# Altium PCB V1_2.PcbDoc (part 2 of 3)
Units mm, origin at the board's own origin, x right, y up, seen from the top; angles counter-clockwise.
Board outline 100 x 60 mm, 4 copper layers (Component Side, GND Layer, Power Layer, Bottom Layer), stack 1.596 mm thick; 194 components, 123 nets, 871 pads, 789 vias.
Unrouted connection lines stored in the file: 3.
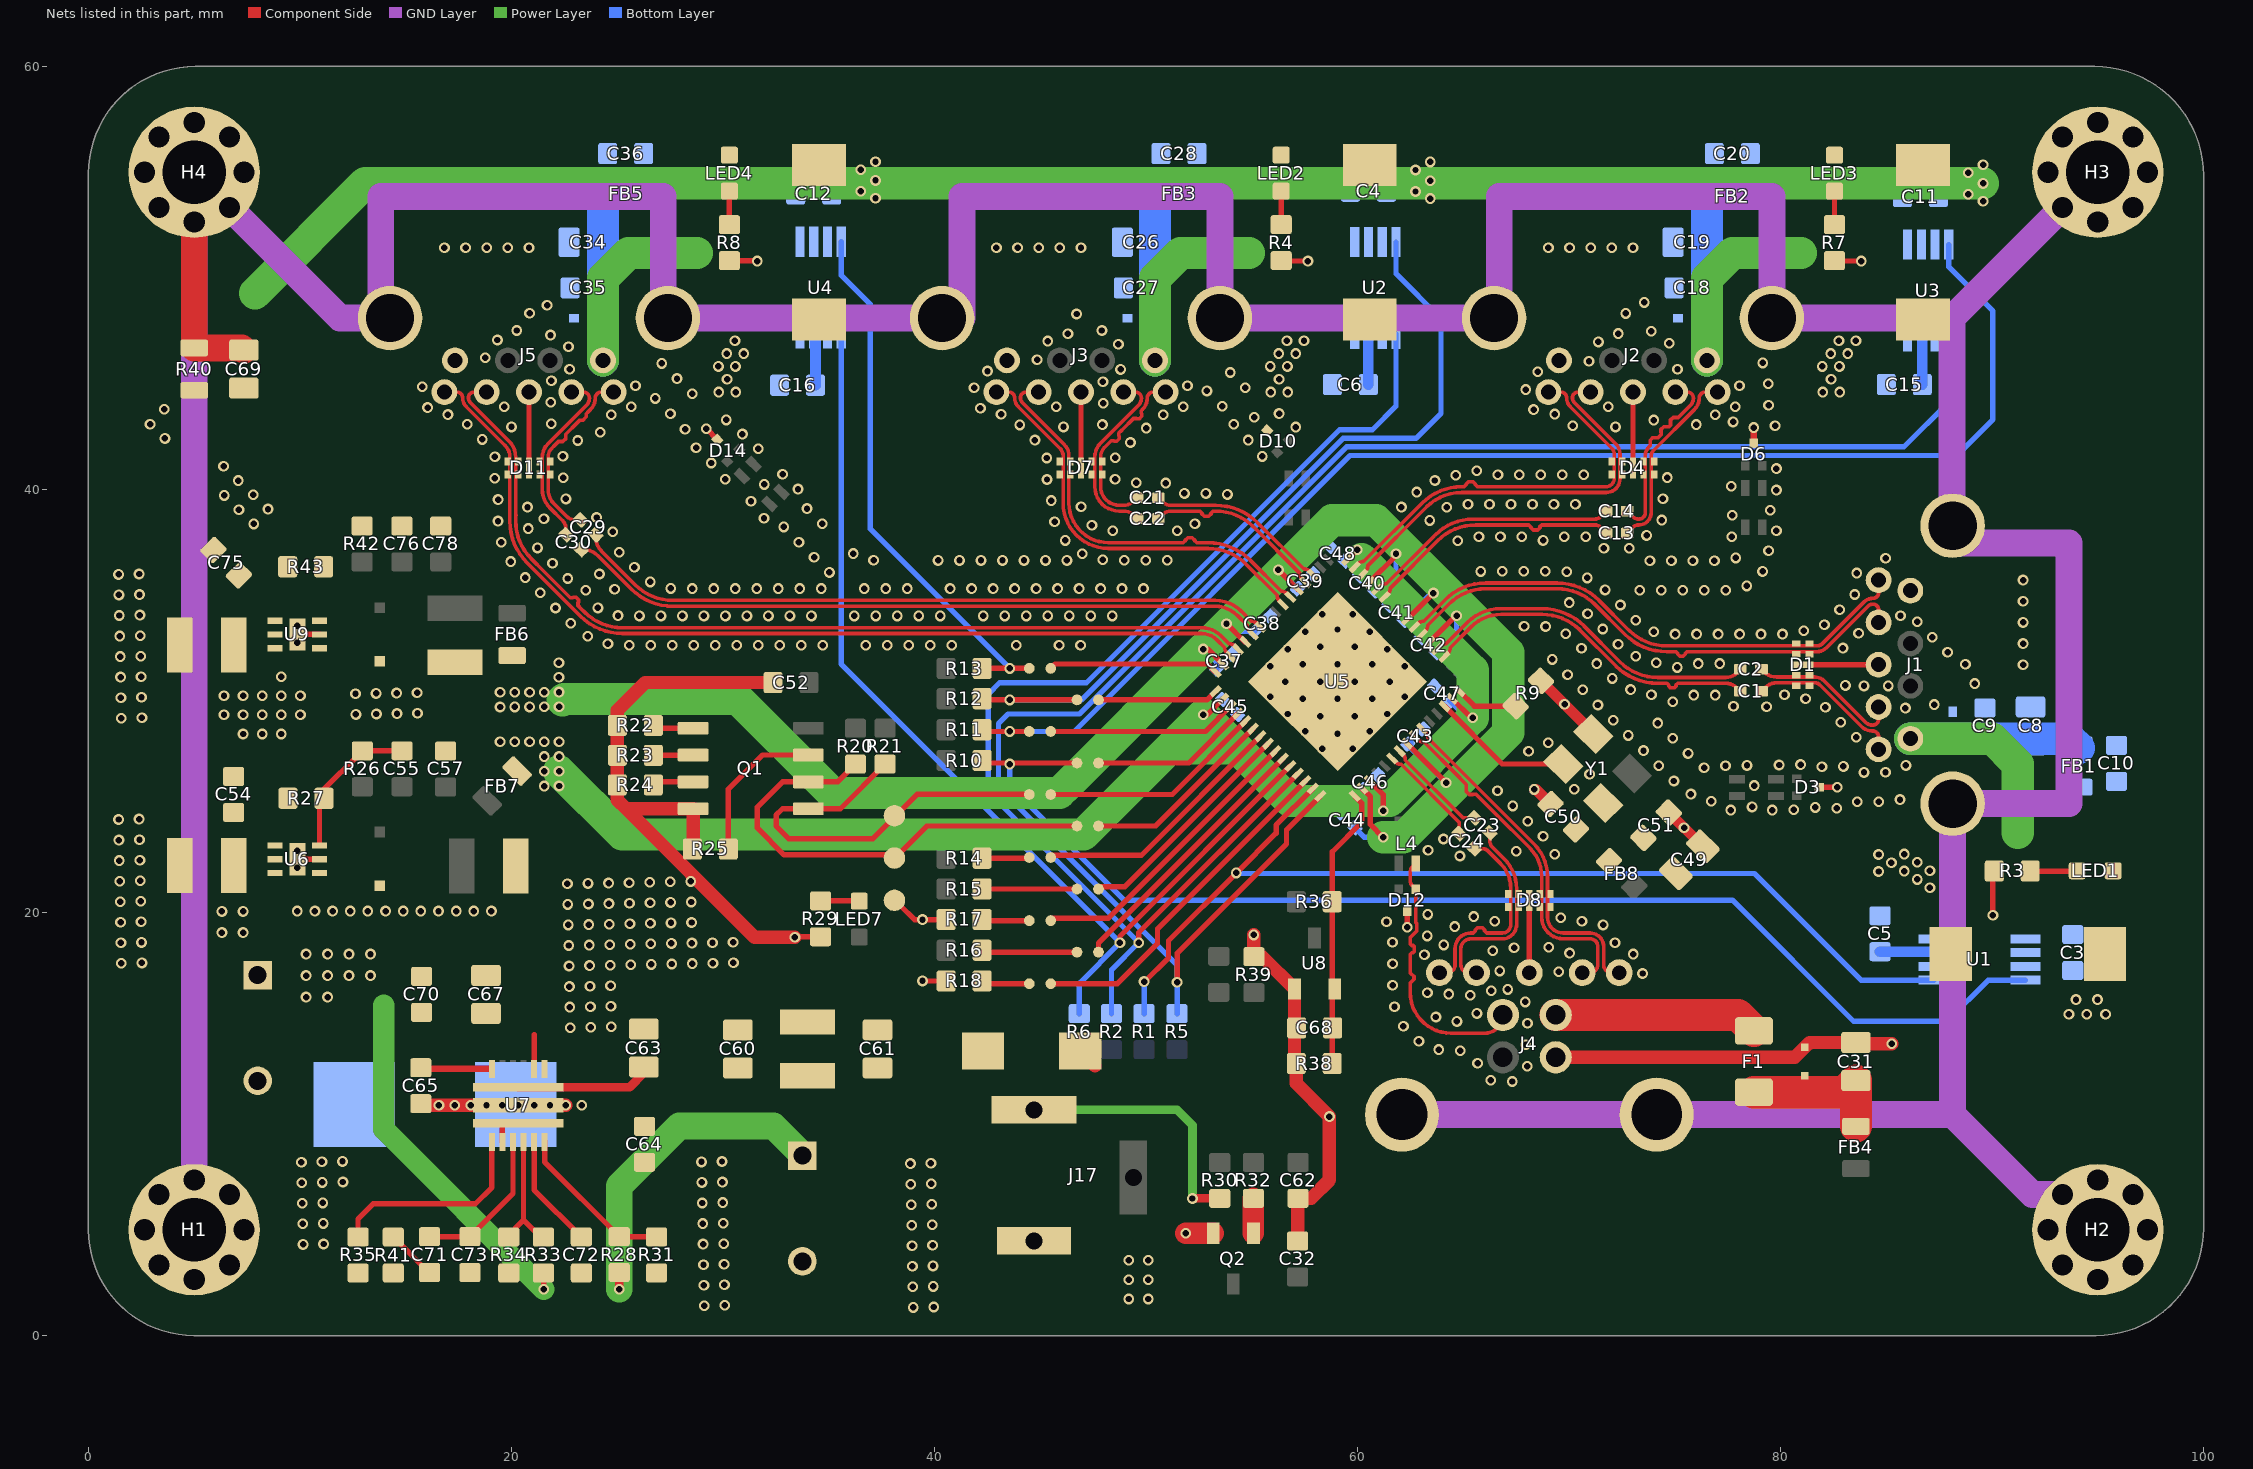
[diagram p4: the nets of this part, all layers, seen from the top]

## Via types
v1: diameter 0.508, hole 0.305, Component Side to Bottom Layer, tented both sides, 788 vias
v2: diameter 0.508, hole 0.305, Component Side to Bottom Layer, 1 vias

## Nets (pads, with @x,y where several pads share a name; then routed paths per layer and width w, separated by ;. In a path a pad name is that pad's centre, name@x,y a point inside that pad or via, vN(x,y) a via of type N, cw(c..) or ccw(c..) an arc to the next point about the centre after c; other vN are vias at no path point) (continued)
GND: C3.1 C4.1 C5.1 C6.1 C7.2 C8.1 C9.1 C10.1 C11.1 C12.1 C15.1 C16.1 C17.2 C18.1 C19.1 C20.1 C25.2 C26.1 C27.1 C28.1 C31.1 C32.1 C33.2 C34.1 C35.1 C36.1 C37.1 C38.1 C39.1 C40.1 C41.1 C42.1 C43.1 C44.1 C45.1 C46.1 C47.1 C48.1 C49.1 C50.1 C51.1 C52.1 C53.1 C54.1 C56.1 C57.1 C58.2 C59.1 C60.1 C61.1 C62.1 C63.1 C64.1 C66.2 C67.1 C68.1 C69.2 C70.1 C72.1 C73.1 C74.1 C75.1 C77.1 C78.1 D1.3 D2.2 D3.3 D4.3 D5.2 D6.3 D7.3 D8.3 D9.2 D10.3 D11.3 D12.3 D13.2 D14.3 ESD1.2 ESD2.2 J1.4 J1.7 J2.4 J2.7 J3.4 J3.7 J4.4 J4.7 J5.4 J5.7 J17.2 LED1.K LED2.K LED3.K LED4.K Q1.4 R9.2 R17.1 R18.1 R22.1 R23.1 R24.1 R25.1 R27.2 R29.1 R31.2 R34.2 R35.2 R38.2 R39.2 R40.1 R41.2 R43.2 TP3.1 U1.1 U2.1 U3.1 U4.1 U5.65 U6.2 U6.6 U6.7 U7.2 U7.9 U7.11 U8.1 U9.2 U9.6 U9.7 Y1.2 | length 100.6
  Component Side w0.254: U6.7@9.874,22.52 U6.2@10.924,22.52 ; U9.7@9.874,33.147 U9.2@10.924,33.147 ; U7.11@19.57,9.158 19.57,10.033 U7.9@20.32,10.033 ; D11.3@20.828,41.021 J5.7@20.828,44.605 ; U7.2@21.07,12.608 21.07,14.212 ; v1(29.21,42.873) D14.3@29.735,42.349 ; v1(33.401,18.835) 33.416,18.85 R29.1@34.614,18.85 ; TP3.1@38.397,20.32 39.053,19.665 v1(39.433,19.665) R17.1@40.552,19.665 ; v1(39.433,16.764) R18.1@40.552,16.764 ; D7.3@46.926,41.021 J3.7@46.926,44.605 ; v1(62.357,19.304) D12.3@62.357,20.049 ; J4.7@68.123,17.155 D8.3@68.123,20.574 ; D4.3@73.025,41.021 J2.7@73.025,44.605 ; D1.3@81.054,31.716 J1.7@84.638,31.716 ; D3.3@81.822,25.927 v1(82.677,25.927)
  Component Side w0.305: D6.3@78.74,42.181 v1(78.74,42.926)
  Component Side w0.508: v1(68.36,25.817) 68.439,25.817 C50.1@69.13,25.126 ; R9.2@68.678,30.955 v1(69.788,29.845) 71.149,28.484 Y1.2@71.149,28.44 ; C51.1@74.718,24.731 76.321,23.128 C49.1@76.328,23.128
  Component Side w0.635: R25.1@28.556,22.999 28.586,23.029 Q1.4@28.586,24.904 25.423,24.904 ; C52.1@32.366,30.873 26.328,30.873 25.008,29.552 R22.1@25.008,28.843 25.008,25.319 25.423,24.904 ; v1(33.401,18.835) 31.491,18.835 25.423,24.904 ; ESD2.2@46.891,13.459 ESD2.2@47.589,12.761 ; v1(55.1,18.94) R39.2@55.1,17.911 55.498,17.911 U8.1@57.02,16.389 57.02,12.944 R38.2@57.105,12.859 ; R38.2@57.007,12.761 R38.2@57.105,12.859 ; C32.1@57.169,4.469 57.169,6.464 C62.1@57.188,6.483 57.805,6.483 58.674,7.352 v1(58.674,10.351) 57.105,11.919 R38.2@57.105,12.859 ; J4.4@69.373,13.155 80.679,13.155 ESD1.2@81.153,13.629 81.378,13.854 C31.1@83.566,13.854 83.625,13.795 v1(85.256,13.795)
  other v1: 38.995,1.328 39.966,1.347 29.116,1.407 30.087,1.426 38.976,2.3 39.947,2.318 29.097,2.379 30.068,2.398 38.957,3.271 39.928,3.29 29.078,3.35 30.049,3.369 38.938,4.242 39.909,4.261 10.144,4.307 11.116,4.326 29.059,4.322 30.03,4.341 38.919,5.214 39.89,5.233 10.125,5.278 29.04,5.293 11.097,5.297 30.011,5.312 38.9,6.185 39.871,6.204 10.106,6.249 11.078,6.268 29.021,6.265 29.992,6.284 38.881,7.157 39.852,7.176 10.087,7.221 11.059,7.24 29.002,7.236 12.03,7.259 29.973,7.255 38.862,8.128 39.833,8.147 10.069,8.192 11.04,8.211 28.983,8.207 12.011,8.23 29.954,8.226 67.316,12.009 66.302,12.064 68.028,12.734 65.678,12.867 64.852,13.458 63.838,13.519 67.95,13.747 62.903,13.916 22.779,14.555 23.751,14.574 24.722,14.593 62.171,14.621 68.038,14.759 64.701,14.852 63.706,15.058 65.644,15.229 22.761,15.526 23.732,15.545 61.749,15.545 24.703,15.564 67.935,15.77 65.334,16.09 64.32,16.144 63.306,16.209 66.328,16.302 67.109,16.362 22.742,16.498 23.713,16.517 24.684,16.536 61.66,16.557 73.478,17.116 69.518,17.2 66.728,17.236 22.723,17.469 23.694,17.488 24.665,17.507 25.637,17.526 26.608,17.545 27.58,17.564 28.551,17.583 61.66,17.573 1.555,17.596 29.522,17.602 2.527,17.615 30.494,17.621 63.166,18.007 73.04,18.033 70.026,18.08 66.394,18.195 67.401,18.331 69.048,18.355 22.704,18.441 23.675,18.46 64.072,18.466 24.646,18.479 25.618,18.498 26.589,18.516 27.561,18.535 28.532,18.554 1.536,18.568 29.504,18.573 72.175,18.567 2.508,18.587 30.475,18.592 61.655,18.589 63.302,18.892 64.598,19.335 22.685,19.412 71.612,19.412 23.656,19.431 24.627,19.45 25.599,19.469 26.57,19.488 27.542,19.507 1.517,19.539 28.513,19.526 2.489,19.558 61.371,19.564 66.49,19.589 70.611,19.589 69.609,19.754 65.498,19.807 63.317,19.908 9.872,20.066 10.707,20.066 11.541,20.066 12.376,20.066 13.21,20.066 14.045,20.066 14.88,20.066 15.714,20.066 16.549,20.066 17.383,20.066 18.218,20.066 19.053,20.066 22.666,20.383 23.637,20.402 24.609,20.421 25.58,20.44 26.551,20.459 27.523,20.478 28.494,20.497 1.498,20.511 2.47,20.53 22.647,21.355 23.618,21.374 24.59,21.393 25.561,21.412 26.532,21.431 27.504,21.45 28.475,21.469 1.479,21.482 2.451,21.501 9.874,22.12 1.46,22.453 2.432,22.472 64.842,22.671 69.331,22.752 67.511,22.893 9.874,22.92 63.336,22.946 1.441,23.425 2.413,23.444 64.065,23.475 68.773,23.601 75.438,24.003 68.055,24.319 1.423,24.396 2.394,24.415 77.649,24.842 79.612,24.842 80.628,24.861 82.654,24.925 81.639,24.967 78.654,24.989 67.337,25.038 83.623,25.23 84.639,25.23 76.722,25.259 85.649,25.339 75.764,25.597 66.618,25.756 70.252,25.823 78.762,26 74.96,26.217 70.971,26.542 83.948,26.624 84.964,26.633 76.388,26.846 81.957,26.887 82.972,26.906 74.241,26.936 77.399,26.941 78.415,26.955 85.929,26.953 79.93,26.974 80.946,26.993 75.627,27.52 68.088,27.625 73.523,27.654 69.02,28.031 74.909,28.239 83.575,28.287 72.804,28.372 74.19,28.957 82.842,28.99 72.086,29.091 1.555,29.186 2.527,29.205 12.643,29.365 13.615,29.384 14.586,29.403 15.558,29.422 85.905,29.665 82.123,29.708 77.777,29.748 79.339,29.733 71.367,29.809 87.273,29.83 74.901,29.96 81.186,30.1 1.536,30.157 2.508,30.176 75.894,30.278 76.91,30.278 73.897,30.298 80.188,30.291 12.624,30.336 13.596,30.355 14.567,30.374 15.539,30.393 70.649,30.528 72.911,30.54 83.948,30.712 85.098,30.712 83.067,30.735 89.186,30.825 72.041,31.066 1.517,31.128 2.489,31.147 69.931,31.246 75.115,31.585 91.468,31.716 88.741,31.738 71.308,31.769 76.114,31.771 77.13,31.771 74.124,31.809 69.212,31.965 1.498,32.1 73.154,32.111 2.47,32.119 87.897,32.304 70.59,32.488 82.95,32.503 25.572,32.629 26.588,32.629 27.604,32.629 28.62,32.629 29.636,32.629 30.652,32.629 31.668,32.629 32.684,32.629 33.7,32.629 34.716,32.629 36.748,32.629 37.764,32.629 38.78,32.629 39.796,32.629 40.812,32.629 43.86,32.629 45.892,32.629 46.908,32.629 72.318,32.689 24.559,32.706 91.468,32.716 9.874,32.747 87.175,33.019 1.479,33.071 23.607,33.06 2.451,33.09 69.85,33.184 75.014,33.165 76.03,33.165 77.046,33.165 78.062,33.165 79.078,33.165 80.094,33.165 83.69,33.199 74.004,33.27 81.099,33.317 71.596,33.404 67.876,33.535 68.891,33.522 9.874,33.547 82.075,33.599 22.801,33.678 91.468,33.716 86.467,33.747 73.15,33.821 26.051,34.023 27.067,34.023 28.083,34.023 29.099,34.023 30.115,34.023 31.131,34.023 32.147,34.023 33.163,34.023 34.179,34.023 36.211,34.023 37.227,34.023 38.243,34.023 39.259,34.023 40.275,34.023 42.307,34.023 43.323,34.023 44.339,34.023 45.355,34.023 46.371,34.023 47.387,34.023 48.403,34.023 1.46,34.043 25.035,34.04 85.673,34.028 2.432,34.062 70.878,34.122 82.793,34.317 22.082,34.396 24.086,34.401 72.431,34.539 70.012,34.654 91.468,34.716 1.441,35.014 2.413,35.033 83.512,35.035 21.364,35.115 23.509,35.238 73.342,35.234 74.358,35.234 75.374,35.234 76.39,35.234 77.406,35.234 71.707,35.252 24.876,35.286 28.546,35.314 29.562,35.314 30.578,35.314 31.594,35.314 32.61,35.314 33.626,35.314 34.642,35.314 36.674,35.314 37.69,35.314 38.706,35.314 40.738,35.314 41.754,35.314 42.77,35.314 43.786,35.314 44.802,35.314 45.818,35.314 46.834,35.314 47.85,35.314 48.866,35.314 49.882,35.314 27.53,35.321 78.401,35.441 26.562,35.631 91.468,35.716 22.657,35.792 70.863,35.818 20.645,35.833 1.423,35.985 2.394,36.004 24.157,36.004 83.607,36.047 35.03,36.078 65.826,36.125 69.889,36.107 79.152,36.125 66.842,36.14 67.858,36.14 68.874,36.14 25.814,36.318 21.939,36.51 19.967,36.59 73.827,36.628 74.843,36.628 75.859,36.628 76.875,36.628 37.119,36.655 40.167,36.648 41.183,36.648 42.199,36.648 43.215,36.648 44.231,36.648 45.247,36.648 46.263,36.648 48.971,36.651 49.987,36.651 51.003,36.651 47.955,36.672 77.882,36.764 84.967,36.747 34.307,36.791 36.153,36.968 46.982,36.963 25.096,37.037 79.437,37.101 71.649,37.222 72.853,37.222 21.229,37.237 19.519,37.501 33.588,37.51 64.742,37.571 46.184,37.592 68.772,37.59 65.739,37.763 66.755,37.763 67.771,37.763 69.773,37.763 70.789,37.763 77.689,37.762 73.668,37.829 24.783,38.003 48.424,38.045 51.472,38.045 79.806,38.047 20.789,38.153 32.87,38.228 47.443,38.31 7.815,38.373 34.691,38.378 52.315,38.383 45.675,38.472 19.363,38.506 63.414,38.536 74.381,38.553 21.534,38.62 31.939,38.636 24.022,38.676 77.715,38.778 79.518,39.021 7.114,39.046 8.488,39.073 33.972,39.097 20.758,39.169 62.077,39.17 64.219,39.156 46.931,39.187 65.225,39.298 66.241,39.298 67.257,39.298 68.273,39.298 69.289,39.298 70.305,39.298 31.323,39.444 45.521,39.476 19.364,39.522 22.572,39.553 74.441,39.567 6.414,39.72 7.788,39.747 53.849,39.765 51.818,39.812 52.834,39.812 62.804,39.879 79.806,39.974 33.547,40.02 77.674,40.152 31.957,40.239 49.539,40.322 50.928,40.303 7.088,40.42 63.662,40.424 45.32,40.472 30.112,40.484 48.536,40.49 19.212,40.526 22.444,40.561 74.641,40.563 64.647,40.672 66.637,40.692 67.653,40.692 68.669,40.692 69.685,40.692 70.701,40.692 32.816,40.725 65.64,40.888 79.806,40.99 6.387,41.094 29.446,41.251 45.31,41.488 48.543,41.506 19.216,41.542 55.492,41.562 22.433,41.577 31.663,41.928 28.729,41.971 49.263,42.222 23.13,42.316 44.75,42.335 54.833,42.335 18.621,42.366 3.613,42.414 30.92,42.62 24.194,42.712 28.208,42.843 50.016,42.905 20.002,42.956 46.1,42.956 57.082,42.951 72.199,42.956 70.172,43.012 79.742,43.015 44.032,43.054 2.913,43.087 17.903,43.084 47.94,43.067 54.146,43.084 76.01,43.068 21.881,43.107 77.755,43.194 30.154,43.288 74.001,43.281 55.118,43.414 16.996,43.541 24.718,43.53 50.816,43.53 76.915,43.53 43.146,43.552 69.32,43.567 27.513,43.585 56.292,43.59 3.586,43.788 68.327,43.778 42.171,43.835 16.035,43.872 19.659,43.913 25.659,43.913 45.758,43.913 51.758,43.913 71.856,43.913 77.856,43.913 53.599,43.94 79.437,43.985 47.982,44.082 21.86,44.123 26.795,44.303 28.544,44.525 52.881,44.659 67.951,44.722 41.87,44.806 54.698,44.812 15.781,44.856 25.865,44.908 51.963,44.908 78.062,44.908 79.415,45 47.963,45.098 21.891,45.138 27.825,45.244 53.98,45.531 68.522,45.563 42.505,45.598 48.799,45.676 75.13,45.681 22.748,45.684 27.107,45.962 79.166,45.985 70.946,46.063 44.848,46.135 18.757,46.233 22.695,46.743 48.695,46.862 74.739,46.917 71.393,46.976 45.354,47.016 19.335,47.068 21.845,47.299 46.307,47.367 72.328,47.373 73.893,47.479 20.247,47.516 47.918,47.516 46.716,48.297 20.855,48.33 72.681,48.326 21.684,48.706 73.556,48.842 16.828,51.435 17.828,51.435 18.828,51.435 19.828,51.435 20.828,51.435 42.926,51.435 43.926,51.435 44.926,51.435 45.926,51.435 46.927,51.435 69.025,51.435 70.025,51.435 71.025,51.435 72.025,51.435 73.025,51.435
NetC7_1: C7.1 C8.2 C9.2 D2.1 FB1.1 J1.1 | length 17
  Power Layer w1.524: J1.1@86.138,28.216 90.015,28.216 91.214,27.017 91.214,23.767
  Bottom Layer w1.524: J1.1@86.138,28.216 93.665,28.216 FB1.1@94.107,27.774
  other v1: 87.066,21.173 86.459,21.565 84.638,21.937 85.852,21.957 87.066,21.978 85.245,22.349 86.459,22.37 84.638,22.741 85.852,22.762
NetC17_1: C17.1 C18.2 C19.2 D5.1 FB2.1 J2.1 | length 16.7
  Power Layer w1.524: J2.1@76.525,46.105 76.525,49.982 77.724,51.181 80.974,51.181
  Bottom Layer w1.524: J2.1@76.525,46.105 76.525,53.514 FB2.1@76.874,53.863
  other v1: 82,44.605 82.804,44.605 82.392,45.212 81.979,45.819 82.784,45.819 82.371,46.426 83.176,46.426 82.763,47.033 83.568,47.033
NetC25_1: C25.1 C26.2 C27.2 D9.1 FB3.1 J3.1 | length 16.8
  Power Layer w1.524: J3.1@50.427,46.105 50.427,49.982 51.626,51.181 54.876,51.181
  Bottom Layer w1.524: J3.1@50.427,46.105 50.427,53.677 FB3.1@50.727,53.978
  other v1: 55.901,44.605 56.706,44.605 56.293,45.212 55.881,45.819 56.685,45.819 56.273,46.426 57.077,46.426 56.665,47.033 57.469,47.033
NetC31_2: C31.2 ESD1.1 F1.1 FB4.1 | length 7.2
  Component Side w1.524: F1.1@78.74,11.504 83.016,11.504 C31.2@83.566,12.054 FB4.1@83.566,9.89
NetC33_1: C33.1 C34.2 C35.2 D13.1 FB5.1 J5.1 | length 16.8
  Power Layer w1.524: J5.1@24.328,46.105 24.328,49.982 25.527,51.181 28.777,51.181
  Bottom Layer w1.524: J5.1@24.328,46.105 24.328,53.753 FB5.1@24.565,53.99
  other v1: 29.803,44.605 30.607,44.605 30.195,45.212 29.782,45.819 30.587,45.819 30.174,46.426 30.979,46.426 30.566,47.033
NetC37_2: C37.2 C38.2 C39.2 C40.2 C41.2 C42.2 C43.2 C44.2 FB6.1 U5.5 U5.8 U5.13 U5.21 U5.28 U5.31 U5.51 U5.57 | length 95
  Component Side w0.254: v1(52.705,32.454) 52.923,32.454 U5.31@53.645,31.732 ; v1(53.806,33.655) 54.668,32.793 U5.28@54.706,32.793 ; v1(56.261,36.195) 57.181,35.275 U5.21@57.181,35.268 ; U5.51@60.221,25.863 60.604,25.48 60.604,24.162 v1(61.212,23.554) ; U5.13@60.575,35.622 61.82,36.866 v1(61.82,36.957) ; U5.57@62.343,27.985 v1(64.188,26.14) ; U5.8@62.343,33.854 v1(63.59,35.101) ; U5.5@63.404,32.793 64.647,34.036 v1(64.686,34.036)
  Power Layer w1.524: 22.415,30.035 22.479,30.099 30.716,30.099 35.161,25.654 45.905,25.654 ; 46.1,25.848 v1(52.705,32.454) 58.796,38.544 60.877,38.544 67.126,32.296 67.126,28.516 62.164,23.554 v1(61.212,23.554)
  Bottom Layer w0.254: v1(52.705,32.454) 53.347,31.812 C37.2@53.347,31.523 ; v1(53.806,33.655) 54.16,33.301 C38.2@55.133,33.301 ; v1(56.261,36.195) 56.285,36.195 C39.2@57.167,35.313 ; C44.2@59.875,24.003 60.325,23.554 v1(61.212,23.554) ; C40.2@60.806,35.206 61.82,36.221 v1(61.82,36.957) v1@61.904,36.957 ; C41.2@62.203,33.809 63.494,35.101 v1(63.59,35.101) ; C43.2@62.511,28.094 62.511,27.786 64.157,26.14 v1(64.188,26.14) ; C42.2@63.727,32.285 64.686,33.245 v1(64.686,34.036)
  other v1: 19.463,29.716 20.159,29.718 20.855,29.72 21.552,29.722 22.248,29.724 19.461,30.412 20.157,30.414 20.853,30.416 21.55,30.418 22.246,30.42 22.244,31.117 22.242,31.813
NetC45_2: C45.2 C46.2 C47.2 C48.2 FB7.1 U5.16 U5.34 U5.52 U5.63 | length 72.6
  Component Side w0.254: v1(52.705,29.345) 52.884,29.345 U5.34@53.646,30.106 ; U5.16@59.515,36.682 59.521,36.682 v1(59.994,37.155) ; U5.52@60.575,26.217 61.214,25.577 v1(61.214,24.813) ; U5.63@64.465,30.107 65.362,29.21 v1(65.449,29.21)
  Power Layer w1.524: v1(22.248,26.676) 25.239,23.685 47.046,23.685 51.11,27.749 ; v1(52.705,29.345) 51.11,27.749 ; v1@52.73,29.345 54.326,27.749 ; 60.193,36.708 65.449,31.452 v1(65.449,29.21) 61.512,25.273 56.802,25.273 54.326,27.749 ; 51.11,27.749 54.326,27.749
  Bottom Layer w0.254: v1(52.705,29.345) 52.84,29.345 C45.2@53.594,30.099 ; C48.2@59.536,36.676 60.015,37.155 v1(59.994,37.155) ; C46.2@60.24,25.808 60.24,25.788 v1(61.214,24.813) ; C47.2@64.362,29.999 65.151,29.21 v1(65.449,29.21)
  other v1: 21.552,25.978 22.248,25.98 21.552,26.674 21.552,27.371 22.248,27.373 19.463,28.067 20.159,28.067 20.855,28.067 21.552,28.067 22.248,28.069
NetC49_2: C49.2 C50.2 C51.2 FB8.1 Y1.4
NetC55_1: C55.1 R26.2 R27.1 U6.3 | length 7.2
  Component Side w0.254: U6.3@10.922,23.17 10.922,25.2 10.922,25.618 R26.2@12.948,27.645 C55.1@14.823,27.645
NetC65_1: C65.1 L7.1 U7.8 | length 6.8
  Component Side w0.635: C65.1@15.748,10.883 v1(18.07,10.883) v1(18.82,10.883) v1(19.57,10.883) v1(20.32,10.883) v1(21.07,10.883) v1(21.82,10.883) v1(22.57,10.883)
  other v1: 16.57,10.883 17.32,10.883 23.32,10.883
NetC65_2: C65.2 U7.6 | length 3.4
  Component Side w0.305: C65.2@15.714,12.661 15.767,12.608 U7.6@19.07,12.608
NetC71_1: C71.1 R41.1 | length 2.4
  Component Side w0.254: R41.1@14.412,4.653 16.089,2.975 C71.1@16.129,2.975
NetC71_2: C71.2 C73.2 U7.12 | length 7.5
  Component Side w0.254: C71.2@16.129,4.675 C73.2@18.264,4.675 ; C73.2@18.034,4.675 20.07,6.711 U7.12@20.07,9.158
NetC72_2: C72.2 U7.14 | length 5.4
  Component Side w0.254: U7.14@21.07,9.158 21.07,6.888 C72.2@23.302,4.656
NetC76_1: C76.1 R42.2 R43.1 U9.3
NetF1_2: F1.2 J4.1 | length 9.7
  Component Side w1.524: J4.1@69.373,15.155 77.989,15.155 F1.2@78.74,14.404
NetJ6_1: J6.1 R14.1 | length 2.2
  Component Side w0.254: R14.1@42.252,22.565 44.448,22.565 J6.1@44.481,22.599
NetJ6_2: J6.2 U5.39 | length 12.3
  Component Side w0.254: J6.2@45.497,22.599 45.599,22.7 49.775,22.7 U5.39@55.413,28.338
NetJ7_2: J7.2 U5.36 | length 7.6
  Component Side w0.254: J7.2@47.752,27.07 52.024,27.07 U5.36@54.353,29.399
NetJ8_1: J8.1 U5.40 | length 10.9
  Component Side w0.254: J8.1@47.752,21.108 47.854,21.21 48.992,21.21 U5.40@55.767,27.985
NetJ8_2: J8.2 R15.1 | length 4.5
  Component Side w0.254: R15.1@42.252,21.115 42.259,21.108 J8.2@46.736,21.108
NetJ9_2: J9.2 U5.35 | length 9
  Component Side w0.254: J9.2@45.497,28.56 52.807,28.56 U5.35@53.999,29.753
NetJ10_1: J10.1 U5.41 | length 13.9
  Component Side w0.254: J10.1@45.497,19.618 45.599,19.719 48.209,19.719 U5.41@56.121,27.631
NetJ10_2: J10.2 R17.2 | length 2.2
  Component Side w0.254: R17.2@42.252,19.665 42.299,19.618 J10.2@44.481,19.618
NetJ11_1: J11.1 U5.42 | length 12.8
  Component Side w0.254: J11.1@47.752,18.127 47.752,18.556 U5.42@56.474,27.278
NetJ11_2: J11.2 R16.1 | length 4.5
  Component Side w0.254: R16.1@42.252,18.214 42.339,18.127 J11.2@46.736,18.127
NetJ12_1: J12.1 U5.45 | length 16.4
  Component Side w0.254: J12.1@45.497,16.637 48.652,16.637 50.546,18.531 50.546,19.228 U5.45@57.535,26.217
NetJ12_2: J12.2 R18.2 | length 2.3
  Component Side w0.254: R18.2@42.252,16.764 42.379,16.637 J12.2@44.481,16.637
NetJ13_2: J13.2 U5.33 | length 5.7
  Component Side w0.254: J13.2@47.752,30.051 52.883,30.051 U5.33@53.292,30.46
NetJ14_2: J14.2 U5.32 | length 8
  Component Side w0.254: J14.2@45.497,31.541 45.706,31.75 52.92,31.75 U5.32@53.291,31.378
NetJ15_1: J15.1 Q1.6 R20.1 TP1.1 | length 22.7
  Component Side w0.254: R20.1@36.264,27.014 35.424,26.174 Q1.6@34.036,26.174 32.816,26.174 31.623,24.981 31.623,23.996 32.893,22.726 38.277,22.726 39.64,24.089 J15.1@46.736,24.089
NetJ16_1: J16.1 Q1.5 R21.1 TP2.1 | length 19.9
  Component Side w0.254: R21.1@37.748,27.103 R21.1@37.661,27.017 35.548,24.904 Q1.5@34.036,24.904 32.816,24.904 32.512,24.6 32.512,24.089 33.106,23.495 37.084,23.495 39.172,25.583 44.478,25.583 J16.1@44.481,25.579
NetL6_1: L6.1 U6.1
NetL8_1: L8.1 U9.1
NetLED1_A: LED1.A R3.2 | length 2.2
  Component Side w0.254: R3.2@91.805,21.956 94.012,21.956 LED1.A@94.027,21.971
NetLED2_A: LED2.A R4.2 | length 1.6
  Component Side w0.254: R4.2@56.392,52.52 LED2.A@56.392,54.107
NetLED3_A: LED3.A R7.2 | length 1.6
  Component Side w0.254: R7.2@82.55,52.52 LED3.A@82.55,54.107
NetLED4_A: LED4.A R8.2 | length 1.6
  Component Side w0.254: R8.2@30.303,52.52 LED4.A@30.303,54.107
NetLED7_K: LED7.K R29.2 | length 1.8
  Component Side w0.254: R29.2@34.614,20.55 36.426,20.55 LED7.K@36.441,20.535
NetQ1_1: Q1.1 R22.2 | length 1.9
  Component Side w0.254: R22.2@26.708,28.843 26.837,28.714 Q1.1@28.586,28.714
NetQ1_2: Q1.2 R23.2 | length 1.9
  Component Side w0.254: R23.2@26.708,27.431 28.573,27.431 Q1.2@28.586,27.444
NetQ1_3: Q1.3 R24.2 | length 1.9
  Component Side w0.254: R24.2@26.708,26.034 26.848,26.174 Q1.3@28.586,26.174
NetQ1_7: Q1.7 R25.2 | length 7.3
  Component Side w0.254: R25.2@30.256,22.999 30.256,25.83 31.87,27.444 Q1.7@34.036,27.444
NetQ2_1: Q2.1 R32.1 | length 1.6
  Component Side w1.016: R32.1@55.078,6.483 55.08,6.482 Q2.1@55.08,4.835
NetR9_1: R9.1 U5.64 | length 3
  Component Side w0.254: U5.64@64.819,30.46 65.526,29.753 R9.1@67.476,29.753
NetR28_2: R28.2 R31.1 U7.15 | length 7.7
  Component Side w0.254: U7.15@21.57,9.158 21.57,8.2 R28.2@25.095,4.675 26.842,4.675 R31.1@26.858,4.66
NetR33_2: R33.2 R34.1 U7.13 | length 6.3
  Component Side w0.254: R34.1@19.685,4.572 20.57,5.457 ; 20.57,5.395 20.57,5.457 ; U7.13@20.57,9.158 20.57,5.457 ; R33.2@21.508,4.656 21.371,4.656 20.57,5.457
NetR35_1: R35.1 U7.10 | length 9.9
  Component Side w0.254: R35.1@12.745,4.656 12.745,5.506 13.462,6.223 18.288,6.223 19.07,7.005 U7.10@19.07,9.158
OVCUR1: R1.2 U1.5 U5.46 | length 49
  Component Side w0.254: v1(49.911,16.734) 49.94,16.734 51.063,17.857 51.063,18.663 v1(54.27,21.87) 56.155,23.755 56.155,24.13 U5.46@57.888,25.863
  Bottom Layer w0.254: R1.2@49.911,15.216 v1(49.911,16.734) ; v1@54.27,21.844 78.772,21.844 83.811,16.805 U1.5@87.24,16.805
OVCUR2: R5.2 U3.5 U5.47 | length 83.2
  Component Side w0.254: v1(51.469,16.699) 51.469,18.068 56.642,23.241 56.642,23.91 U5.47@58.242,25.51
  Bottom Layer w0.254: R5.2@51.469,15.216 v1(51.469,16.699) 51.469,17.514 49.878,19.105 49.856,19.105 43.028,25.933 43.028,28.931 43.482,29.385 46.859,29.385 59.485,42.012 85.827,42.012 87.957,44.142 U3.5@87.957,47.231
OVCUR3: R2.2 U2.5 U5.44 | length 58
  Component Side w0.254: v1(49.657,18.572) 49.657,19.046 U5.44@57.181,26.571
  Bottom Layer w0.254: R2.2@48.372,15.216 48.372,17.287 v1(49.657,18.572) 42.545,25.684 42.545,30.332 43.074,30.861 47.185,30.861 59.149,42.824 60.702,42.824 61.82,43.942 U2.5@61.82,47.358
OVCUR4: R6.2 U4.5 U5.43 | length 50.1
  Component Side w0.254: v1(48.768,18.572) 48.768,18.876 56.816,26.924 U5.43@56.828,26.924
  Bottom Layer w0.254: U4.5@35.59,47.371 35.59,31.75 v1(48.768,18.572) 46.848,16.652 R6.2@46.848,15.216
P5V: C3.2 C4.2 C11.2 C12.2 C53.2 C54.2 C66.1 C67.2 C70.2 C74.2 C75.2 L7.2 Q2.2 R33.1 U1.2 U1.3 U2.2 U2.3 U3.2 U3.3 U4.2 U4.3 U6.4 U6.5 U9.4 U9.5 | length 102.5
  Component Side w0.254: R33.1@21.508,2.956 21.526,2.937 v1(21.526,2.19)
  Component Side w1.016: v1(51.88,4.835) Q2.2@53.18,4.835
  Power Layer w1.016: 13.97,15.621 13.97,9.747 v1(21.526,2.19)
  Power Layer w1.524: 7.874,49.276 13.081,54.483 89.565,54.483 v1(89.578,54.47)
  other v1: 49.186,1.726 50.102,1.726 49.186,2.641 50.102,2.641 49.186,3.556 50.102,3.556 93.636,15.184 94.479,15.184 95.368,15.184 93.971,15.882 94.987,15.883 10.287,16.002 11.303,16.002 10.287,17.018 11.303,17.018 12.319,17.018 13.335,17.018 10.287,18.034 11.303,18.034 12.319,18.034 13.335,18.034 6.311,19.05 7.31,19.05 6.311,20.049 7.31,20.049 7.31,28.44 8.213,28.44 9.116,28.44 6.407,29.343 7.31,29.343 8.213,29.343 9.116,29.343 10.019,29.343 6.407,30.246 7.31,30.246 8.213,30.246 9.116,30.246 10.019,30.246 9.116,31.149 89.578,53.627 63.441,53.754 37.211,53.767 88.879,53.962 36.512,54.102 62.742,54.089 37.211,54.61 63.441,54.597 88.879,54.978 36.512,55.118 62.742,55.105 89.578,55.359 63.441,55.486 37.211,55.499
P5V_DP1: C5.2 C10.2 FB1.2 R3.1 U1.6 U1.7 U1.8 | length 4.7
  Component Side w0.254: v1(90.043,19.864) 90.043,21.893 R3.1@90.105,21.956
  Bottom Layer w0.508: C5.2@84.709,18.144 87.201,18.144 U1.7@87.24,18.105
P5V_DP2: C15.2 C20.2 FB2.2 R7.1 U3.6 U3.7 U3.8 | length 3.7
  Component Side w0.254: R7.1@82.55,50.82 82.697,50.673 82.824,50.8 v1(83.82,50.8)
  Bottom Layer w0.508: U3.7@86.657,47.231 86.702,47.186 C15.2@86.702,44.958
P5V_DP3: C6.2 C28.2 FB3.2 R4.1 U2.6 U2.7 U2.8 | length 3.4
  Component Side w0.254: R4.1@56.392,50.82 56.412,50.8 v1(57.658,50.8)
  Bottom Layer w0.508: C6.2@60.513,44.958 U2.7@60.513,47.062
P5V_DP4: C16.2 C36.2 FB5.2 R8.1 U4.6 U4.7 U4.8 | length 3.8
  Component Side w0.254: R8.1@30.303,50.82 31.603,50.82 v1(31.623,50.8)
  Bottom Layer w0.508: U4.7@34.29,47.371 34.378,47.283 C16.2@34.378,44.93
P12V: C58.1 C59.2 C60.2 C61.2 C63.2 C64.2 ESD2.1 J17.1 R28.1 R30.1 U7.1 U7.7 | length 34.9
  Component Side w0.406: U7.7@20.32,11.733 25.587,11.733 C63.2@26.289,12.435 ; v1(25.095,2.186) R28.1@25.095,2.975 ; v1(52.197,6.477) 52.203,6.483 R30.1@53.486,6.483
  Power Layer w0.406: J17.1@44.703,10.669 51.464,10.669 52.197,9.937 v1(52.197,6.477)
  Power Layer w1.27: v1(25.095,2.186) 25.095,7.067 27.934,9.906 32.386,9.906 33.754,8.538 C58.1@33.754,8.533
PWREN1: J7.1 R10.1 U1.4 | length 59
  Component Side w0.254: R10.1@42.252,27.19 42.372,27.07 J7.1@46.736,27.07
  Bottom Layer w0.254: v1(43.561,27.017) 43.561,25.975 48.95,20.586 77.729,20.586 83.456,14.859 87.884,14.859 89.83,16.805 U1.4@91.584,16.805
PWREN2: J9.1 R11.1 U3.4 | length 64
  Component Side w0.254: R11.1@42.252,28.641 42.332,28.56 v1(43.561,28.56) J9.1@44.481,28.56
  Bottom Layer w0.254: v1(43.561,28.56) 46.609,28.56 59.654,41.605 88.341,41.605 90.043,43.307 90.043,48.43 87.957,50.516 U3.4@87.957,51.575
PWREN3: J13.1 R12.1 U2.4 | length 39.5
  Component Side w0.254: R12.1@42.252,30.106 42.307,30.051 v1(43.561,30.051) J13.1@46.736,30.051
  Bottom Layer w0.254: v1(43.561,30.051) 46.95,30.051 59.317,42.418 62.765,42.418 63.949,43.601 63.949,48.073 61.82,50.202 U2.4@61.82,51.702
PWREN4: J14.1 R13.1 U4.4 | length 25.7
  Component Side w0.254: R13.1@42.252,31.541 v1(43.561,31.541) J14.1@44.481,31.541
  Bottom Layer w0.254: U4.4@35.59,51.714 35.59,50.135 36.957,48.768 36.957,38.145 v1(43.561,31.541)
RST_OUT: C68.2 R36.2 R38.1 U5.50 U8.2 | length 13.4
  Component Side w0.254: R38.1@58.805,12.859 R36.2@58.805,20.511 58.805,22.865 60.198,24.258 60.198,25.179 U5.50@59.868,25.509
SCL_SMBCLK: J15.2 U5.38 | length 9.2
  Component Side w0.254: J15.2@47.752,24.089 50.457,24.089 U5.38@55.06,28.692
SDA_SMBDAT: J16.2 U5.37 | length 10.6
  Component Side w0.254: J16.2@45.497,25.579 51.24,25.579 U5.37@54.706,29.045
SHIELD: C69.1 H1.1 H2.1 H3.1 H4.1 J1.G1 J1.G2 J2.G1 J2.G2 J3.G1 J3.G2 J4.G1 J4.G2 J5.G1 J5.G2 R40.2 | length 275.2
  Component Side w1.27: H4.1@5,55 H4.1@5,52.65 R40.2@5,46.692 7.25,46.692 C69.1@7.35,46.592
  GND Layer w1.27: H1.1@5,5 H1.1@5,7.35 H4.1@5,52.65 H4.1@5,55 H4.1@6.662,53.338 11.895,48.105 J5.G2@13.818,48.105 ; J5.G2@14.258,48.105 J5.G2@13.818,48.105 ; J4.G1@62.103,10.445 J4.G2@74.143,10.445 88.138,10.445 ; H2.1@95,5 H2.1@93.338,6.662 91.921,6.662 88.138,10.445 ; H3.1@95,55 H3.1@93.338,53.338 88.105,48.105 ; J5.G2@13.818,48.105 13.818,53.848 27.178,53.848 27.178,48.105 J5.G1@27.398,48.105 J3.G2@40.356,48.105 41.3,48.105 41.3,53.848 53.496,53.848 J3.G1@53.496,48.105 J2.G2@66.455,48.105 66.7,48.105 66.7,53.848 79.595,53.848 J2.G1@79.595,48.105 88.105,48.105 ; 88.105,48.105 88.105,38.286 J1.G2@88.138,38.286 88.138,37.465 93.636,37.465 93.636,25.146 J1.G1@88.138,25.146 88.138,10.445
SSRX0_A_N: D8.5 D8.6 J4.9 U5.59 | length 16.5
  Component Side w0.173: U5.59@63.05,28.692 63.211,28.532 cw(c62.938,28.259) 63.324,28.259 68.356,23.227 cw(c66.846,21.717) 68.981,21.717 68.981,19.779 ccw(c69.731,19.779) 69.731,19.029 71,19.029 cw(c71,18.395) 71.635,18.395 71.635,17.526 ccw(c72.006,17.526) 72.006,17.155 J4.9@72.373,17.155
SSRX0_A_P: D8.4 D8.7 J4.8 U5.58 | length 16.5
  Component Side w0.173: U5.58@62.697,28.338 62.855,28.18 ccw(c63.128,28.452) 63.128,28.067 64.77,26.425 64.921,26.274 65.147,26.048 65.147,25.897 65.134,25.883 65.134,25.732 65.284,25.581 65.435,25.581 65.449,25.595 65.6,25.595 66.421,24.774 68.162,23.033 cw(c66.846,21.717) 68.707,21.717 68.707,19.779 ccw(c69.731,19.779) 69.731,18.755 71,18.755 cw(c71,18.395) 71.361,18.395 71.361,17.526 cw(c70.99,17.526) 70.99,17.155 J4.8@70.623,17.155
SSRX1_A_N: D1.1 D1.9 J1.5 U5.7 | length 24.7
  Component Side w0.173: U5.7@62.697,33.5 62.857,33.661 cw(c63.129,33.388) 63.129,33.773 64.144,34.789 cw(c66.056,32.877) 66.056,35.58 69.433,35.58 cw(c69.433,32.766) 71.423,34.756 72.83,33.349 ccw(c74.626,35.145) 74.626,32.605 81.717,32.605 ccw(c81.717,32.981) 81.983,32.715 83.945,34.677 cw(c84.37,34.251) 84.37,34.853 ccw(c84.37,35.121) J1.5@84.638,35.121
SSRX1_A_P: D1.2 D1.8 J1.6 U5.6 | length 24.7
  Component Side w0.173: U5.6@63.05,33.147 63.211,33.307 ccw(c62.938,33.579) 63.323,33.579 64.338,34.595 cw(c66.056,32.877) 66.056,35.306 69.433,35.306 cw(c69.433,32.766) 71.229,34.562 72.636,33.155 ccw(c74.626,35.145) 74.626,32.331 74.799,32.331 75.058,32.331 75.144,32.244 75.144,32.208 75.231,32.122 75.403,32.122 75.49,32.208 75.49,32.244 75.576,32.331 77.153,32.331 81.717,32.331 ccw(c81.717,32.981) 82.177,32.521 84.138,34.483 cw(c84.37,34.251) 84.37,34.579 cw(c84.37,34.311) J1.6@84.638,34.311
SSRX2_A_N: D4.1 D4.9 J2.5 U5.15 | length 19.3
  Component Side w0.173: U5.15@59.868,36.329 U5.15@60.029,36.489 ; U5.15@60.029,36.489 cw(c60.301,36.217) 60.301,36.602 63.057,39.358 cw(c64.926,37.488) 64.926,40.132 65.033,40.132 65.14,40.239 65.14,40.258 65.246,40.365 65.46,40.365 65.566,40.258 65.566,40.239 65.673,40.132 66.929,40.132 71.755,40.132 ccw(c71.755,40.513) 72.136,40.513 72.136,41.684 ccw(c71.76,41.684) 72.026,41.95 70.064,43.912 cw(c70.49,44.337) 69.888,44.337 ccw(c69.62,44.337) J2.5@69.62,44.605
SSRX2_A_P: D4.2 D4.8 J2.6 U5.14 | length 19.3
  Component Side w0.173: U5.14@60.222,35.975 60.382,36.135 ccw(c60.11,36.408) 60.495,36.408 63.251,39.164 cw(c64.926,37.488) 64.926,39.858 71.755,39.858 ccw(c71.755,40.513) 72.41,40.513 72.41,41.684 ccw(c71.76,41.684) 72.22,42.144 70.258,44.105 cw(c70.49,44.337) 70.162,44.337 cw(c70.43,44.337) J2.6@70.43,44.605
SSRX3_A_N: D7.1 D7.9 J3.5 U5.23 | length 19.6
  Component Side w0.173: J3.5@42.927,44.605 43.521,44.605 cw(c43.521,44.337) 43.789,44.337 ccw(c44.391,44.337) 43.966,43.912 45.927,41.95 cw(c45.557,41.579) 46.081,41.579 46.081,39.358 ccw(c48.227,39.358) 48.227,37.211 52.932,37.211 cw(c52.932,34.671) 54.728,36.467 56.201,34.994 ccw(c56.586,34.994) 56.314,34.721 U5.23@56.474,34.561
SSRX3_A_P: D7.2 D7.8 J3.6 U5.22 | length 19.6
  Component Side w0.173: J3.6@44.926,44.605 44.332,44.605 ccw(c44.332,44.337) 44.064,44.337 ccw(c44.391,44.337) 44.16,44.105 46.121,42.144 cw(c45.557,41.579) 46.355,41.579 46.355,39.358 ccw(c48.227,39.358) 48.227,37.485 50.546,37.485 51.758,37.485 51.865,37.592 51.865,37.611 51.972,37.718 52.185,37.718 52.292,37.611 52.292,37.592 52.398,37.485 52.718,37.485 52.932,37.485 cw(c52.932,34.671) 54.922,36.661 56.395,35.188 cw(c56.395,34.802) 56.668,35.075 U5.22@56.828,34.915
SSRX4_A_N: D11.1 D11.9 J5.5 U5.30 | length 44.3
  Component Side w0.173: J5.5@17.423,44.605 cw(c17.423,44.337) 17.691,44.337 ccw(c18.293,44.337) 17.867,43.912 19.682,42.097 ; 19.693,42.085 19.682,42.097 ; U5.30@53.999,32.085 53.838,32.246 cw(c54.111,32.518) 53.726,32.518 53.355,32.889 ccw(c52.631,32.165) 52.631,33.189 25.247,33.189 cw(c25.247,36.003) 23.257,34.013 20.748,36.522 cw(c22.738,38.512) 19.924,38.512 19.924,41.529 ccw(c19.137,41.529) 19.694,42.085 19.682,42.097
SSRX4_A_P: D11.2 D11.8 J5.6 U5.29 | length 44.3
  Component Side w0.173: J5.6@18.233,44.605 ccw(c18.233,44.337) 17.965,44.337 ccw(c18.293,44.337) 18.061,44.105 19.875,42.291 19.887,42.279 ; 19.888,42.279 cw(c19.137,41.529) 20.198,41.529 20.198,38.792 ccw(c20.204,38.792) 20.204,38.785 cw(c20.204,38.779) 20.204,38.772 ccw(c20.204,38.766) 20.198,38.766 20.198,38.512 ccw(c22.738,38.512) 20.942,36.716 21.523,36.135 22.779,34.879 22.901,34.879 22.928,34.905 23.05,34.905 23.172,34.783 23.172,34.661 23.145,34.635 23.145,34.513 23.329,34.329 23.451,34.207 ccw(c25.247,36.003) 25.247,33.463 52.631,33.463 cw(c52.631,32.165) 53.549,33.083 53.919,32.712 cw(c53.919,32.327) 54.192,32.599 U5.29@54.352,32.439
SSTX0_A_N: C23.2 D8.2 D8.8 J4.6 | length 9.8
  Component Side w0.173: J4.6@65.623,17.155 65.256,17.155 cw(c65.256,17.526) 64.885,17.526 64.885,18.279 cw(c65.362,18.279) 65.362,18.755 66.846,18.755 ccw(c66.846,19.431) 67.522,19.431 67.522,21.115 ccw(c65.515,21.115) 66.934,22.534 66.362,23.106 cw(c66.633,23.377) 66.25,23.377 C23.2@66.25,23.767 ; D8.8@67.623,20.884 D8.8@67.623,20.926
SSTX0_A_P: C24.2 D8.1 D8.9 J4.5 | length 9.8
  Component Side w0.173: J4.5@63.873,17.155 64.24,17.155 ccw(c64.24,17.526) 64.611,17.526 64.611,18.279 cw(c65.362,18.279) 65.362,19.029 65.468,19.029 65.575,19.136 65.575,19.179 65.682,19.285 65.895,19.285 66.002,19.179 66.002,19.136 66.108,19.029 66.548,19.029 66.846,19.029 ccw(c66.846,19.431) 67.248,19.431 67.248,21.115 ccw(c65.515,21.115) 66.74,22.34 66.168,22.912 ccw(c65.906,22.65) 65.906,23.021 C24.2@65.511,23.021
SSTX0_N: C23.1 U5.56 | length 4.9
  Component Side w0.173: U5.56@61.989,27.631 62.15,27.471 cw(c61.877,27.198) 62.263,27.198 64.987,24.474 C23.1@65.543,24.474
SSTX0_P: C24.1 U5.55 | length 4.9
  Component Side w0.173: U5.55@61.636,27.278 61.796,27.117 ccw(c62.069,27.39) 62.069,27.004 64.804,24.269 C24.1@64.804,23.728
SSTX1_A_N: C2.2 D1.4 D1.7 J1.8 | length 7.2
  Component Side w0.173: C2.2@79.103,31.496 79.213,31.385 ccw(c79.819,31.992) 79.819,31.134 81.625,31.134 cw(c81.625,30.528) 82.055,30.957 84.013,28.998 ccw(c84.351,29.336) 84.351,28.858 ccw(c84.351,29.146) J1.8@84.638,29.146 ; J1.8@84.638,29.262 J1.8@84.638,29.716
SSTX1_A_P: C1.2 D1.5 D1.6 J1.9 | length 7.2
  Component Side w0.173: C1.2@79.103,30.453 79.291,30.641 cw(c79.819,30.113) 79.819,30.86 81.625,30.86 cw(c81.625,30.528) 81.86,30.763 83.819,28.804 ; 83.819,28.804 ccw(c84.351,29.336) 84.351,28.584 cw(c84.351,28.297) J1.9@84.638,28.297 ; J1.9@84.638,27.716 J1.9@84.638,28.17
SSTX1_N: C2.1 U5.4 | length 16.3
  Component Side w0.173: U5.4@63.757,32.44 63.918,32.6 cw(c64.19,32.327) 64.19,32.713 65.17,33.692 cw(c66.802,32.06) 66.802,34.368 68.723,34.368 cw(c68.723,31.554) 70.713,33.544 72.401,31.856 ccw(c74.197,33.652) 74.197,31.112 77.406,31.112 ccw(c77.406,31.865) 77.939,31.332 C2.1@78.103,31.496
SSTX1_P: C1.1 U5.3 | length 16.3
  Component Side w0.173: U5.3@64.111,32.086 64.271,32.246 ccw(c63.999,32.519) 64.384,32.519 65.364,33.498 cw(c66.802,32.06) 66.802,34.094 68.723,34.094 cw(c68.723,31.554) 70.519,33.35 72.207,31.662 ccw(c74.197,33.652) 74.197,30.837 74.37,30.837 74.629,30.837 74.715,30.751 74.715,30.705 74.802,30.618 74.974,30.618 75.061,30.705 75.061,30.751 75.147,30.837 75.416,30.837 77.406,30.837 cw(c77.406,30.084) 77.939,30.617 C1.1@78.103,30.453
SSTX2_A_N: C14.2 D4.4 D4.7 J2.8 | length 8.8
  Component Side w0.173: C14.2@72.755,38.979 73.019,38.714 ccw(c73.301,38.997) 73.301,38.597 ccw(c73.301,38.903) 73.607,38.903 73.607,39.497 73.607,40.513 73.607,41.593 cw(c74.213,41.593) 73.784,42.022 73.845,42.083 73.845,42.205 73.842,42.208 73.842,42.331 73.964,42.453 74.086,42.453 74.09,42.449 74.212,42.449 74.295,42.532 74.356,42.593 74.356,42.716 74.352,42.719 74.352,42.841 74.475,42.963 74.597,42.963 74.6,42.96 74.722,42.96 74.739,42.977 74.801,43.038 74.801,43.16 74.801,43.282 74.923,43.404 75.045,43.404 75.167,43.404 75.222,43.459 75.743,43.98 ccw(c75.405,44.318) 75.882,44.318 ccw(c75.595,44.318) J2.8@75.595,44.605 ; J2.8@75.025,44.605 J2.8@75.479,44.605
SSTX2_A_P: C13.2 D4.5 D4.6 J2.9 | length 8.8
  Component Side w0.173: C13.2@72.755,37.942 73.019,38.206 cw(c73.301,37.924) 73.301,38.323 ccw(c73.301,38.903) 73.881,38.903 73.881,41.593 cw(c74.213,41.593) 73.978,41.827 75.937,43.786 ccw(c75.405,44.318) 76.157,44.318 cw(c76.444,44.318) J2.9@76.444,44.605 ; J2.9@76.571,44.605 J2.9@77.025,44.605
SSTX2_N: C14.1 U5.12 | length 12.2
  Component Side w0.173: U5.12@60.929,35.268 61.089,35.428 cw(c61.362,35.156) 61.362,35.541 63.589,37.769 63.674,37.854 cw(c65.47,36.057) 65.47,38.597 71.219,38.597 ccw(c71.219,38.971) 71.483,38.707 C14.1@71.755,38.979
SSTX2_P: C13.1 U5.11 | length 12.2
  Component Side w0.173: U5.11@61.282,34.914 61.443,35.075 ccw(c61.17,35.347) 61.556,35.347 63.783,37.575 cw(c65.59,35.768) 65.59,38.323 67.564,38.323 67.777,38.323 68.097,38.323 68.204,38.216 68.204,38.191 68.311,38.084 68.524,38.084 68.631,38.191 68.631,38.247 68.707,38.323 71.219,38.323 cw(c71.219,37.95) 71.483,38.214 C13.1@71.755,37.942
SSTX3_A_N: C22.2 D7.4 D7.7 J3.8 | length 8.8
  Component Side w0.173: J3.8@48.927,44.605 49.497,44.605 cw(c49.497,44.318) 49.784,44.318 cw(c49.307,44.318) 49.644,43.98 47.852,42.188 ccw(c48.511,41.529) 47.579,41.529 47.579,40.132 ccw(c48.733,40.132) 48.733,38.978 48.927,38.978 cw(c48.927,38.233) 49.453,38.76 C22.2@49.585,38.628
SSTX3_A_P: C21.2 D7.5 D7.6 J3.9 | length 8.8
  Component Side w0.173: C21.2@49.582,39.602 49.447,39.468 cw(c48.927,39.989) 48.927,39.252 48.733,39.252 cw(c48.733,40.132) 47.854,40.132 47.854,41.529 cw(c48.511,41.529) 48.046,41.994 48.168,42.116 48.352,42.299 48.474,42.299 48.495,42.279 48.617,42.279 48.739,42.401 48.739,42.523 48.718,42.544 48.718,42.666 48.841,42.789 48.851,42.799 49,42.948 49.286,43.234 49.411,43.359 49.533,43.359 49.554,43.338 49.676,43.338 49.798,43.46 49.798,43.582 49.777,43.603 49.777,43.725 49.838,43.786 ccw(c49.307,44.318) 50.058,44.318 cw(c50.346,44.318) 50.346,44.605 J3.9@50.926,44.605
SSTX3_N: C22.1 U5.20 | length 8.7
  Component Side w0.173: C22.1@50.585,38.628 C22.1@50.672,38.714 ; C22.1@50.672,38.723 C22.1@50.672,38.714 ; U5.20@57.535,35.622 57.375,35.782 cw(c57.647,36.055) 57.262,36.055 55.083,38.234 ccw(c53.287,36.438) 53.287,38.978 53.18,38.978 53.073,38.871 53.073,38.843 52.967,38.736 52.753,38.736 52.647,38.843 52.647,38.871 52.54,38.978 52.451,38.978 51.181,38.978 ccw(c51.181,38.385) 50.762,38.804 C22.1@50.672,38.714
SSTX3_P: C21.1 U5.19 | length 8.7
  Component Side w0.173: C21.1@50.582,39.602 C21.1@50.668,39.516 ; C21.1@50.668,39.511 C21.1@50.668,39.516 ; U5.19@57.889,35.976 57.728,36.136 ccw(c57.456,35.863) 57.456,36.249 55.277,38.428 ccw(c53.287,36.438) 53.287,39.252 51.181,39.252 cw(c51.181,39.854) 50.755,39.428 C21.1@50.668,39.516
SSTX4_A_N: C30.2 D11.4 D11.7 J5.8 | length 8.2
  Component Side w0.173: C30.2@22.58,37.863 22.58,38.12 ccw(c21.988,38.12) 22.407,38.539 21.823,39.123 cw(c22.705,40.005) 21.457,40.005 21.457,41.529 cw(c22.333,41.529) 21.714,42.148 23.546,43.98 ccw(c23.208,44.318) 23.685,44.318 ccw(c23.398,44.318) J5.8@23.398,44.605
SSTX4_A_P: C29.2 D11.5 D11.6 J5.9 | length 8.2
  Component Side w0.173: C29.2@23.276,38.56 23.019,38.56 cw(c23.019,39.152) 22.6,38.733 22.017,39.317 cw(c22.705,40.005) 21.732,40.005 21.732,41.529 cw(c22.333,41.529) 21.908,41.954 22.03,42.076 22.225,42.272 22.323,42.272 22.328,42.266 22.426,42.266 22.573,42.413 22.573,42.511 22.567,42.516 22.567,42.614 22.616,42.662 23.07,43.116 23.219,43.265 23.292,43.265 23.366,43.265 23.537,43.436 23.537,43.51 23.537,43.583 23.622,43.668 23.74,43.786 ccw(c23.208,44.318) 23.96,44.318 cw(c24.247,44.318) J5.9@24.247,44.605
SSTX4_N: C30.1 U5.27 | length 33.3
  Component Side w0.173: C30.1@23.287,37.156 23.421,37.156 cw(c23.421,36.248) 24.063,36.89 25.648,35.305 ccw(c27.638,37.295) 27.638,34.481 53.269,34.481 cw(c53.269,32.994) 54.321,34.045 54.786,33.579 ccw(c55.172,33.579) 54.899,33.307 U5.27@55.06,33.146
SSTX4_P: C29.1 U5.26 | length 33.3
  Component Side w0.173: C29.1@23.983,37.853 23.983,37.73 ccw(c24.884,37.73) 24.247,37.094 25.842,35.499 ccw(c27.638,37.295) 27.638,34.755 28.956,34.755 31.369,34.755 53.269,34.755 cw(c53.269,32.994) 54.515,34.239 54.98,33.773 cw(c54.98,33.388) 55.253,33.66 U5.26@55.413,33.5
SSXI: U5.62 Y1.3 | length 6.8
  Component Side w0.254: U5.62@64.111,29.753 66.843,27.022 Y1.3@69.731,27.022
USBDP_A_N: D12.1 J4.2 L4.2 | length 12.8
  Component Side w0.173: L4.2@62.757,22.316 62.587,22.146 ccw(c62.811,21.922) 62.494,21.922 62.494,21.489 ccw(c62.802,21.489) 62.584,21.272 D12.1@62.757,21.099 62.757,19.529 62.799,19.487 62.799,19.121 62.494,18.816 62.494,18.616 62.494,18.512 62.563,18.443 62.62,18.443 62.69,18.374 62.69,18.166 62.62,18.097 62.563,18.097 62.494,18.028 62.494,17.131 62.54,17.085 62.568,17.085 62.672,16.982 62.672,16.843 62.568,16.74 62.494,16.666 62.494,16.394 62.494,16.222 ccw(c64.424,16.222) 64.424,14.292 66.01,14.292 ccw(c66.01,15.155) J4.2@66.873,15.155